# KiCad board mainboard.kicad_pcb (continued)
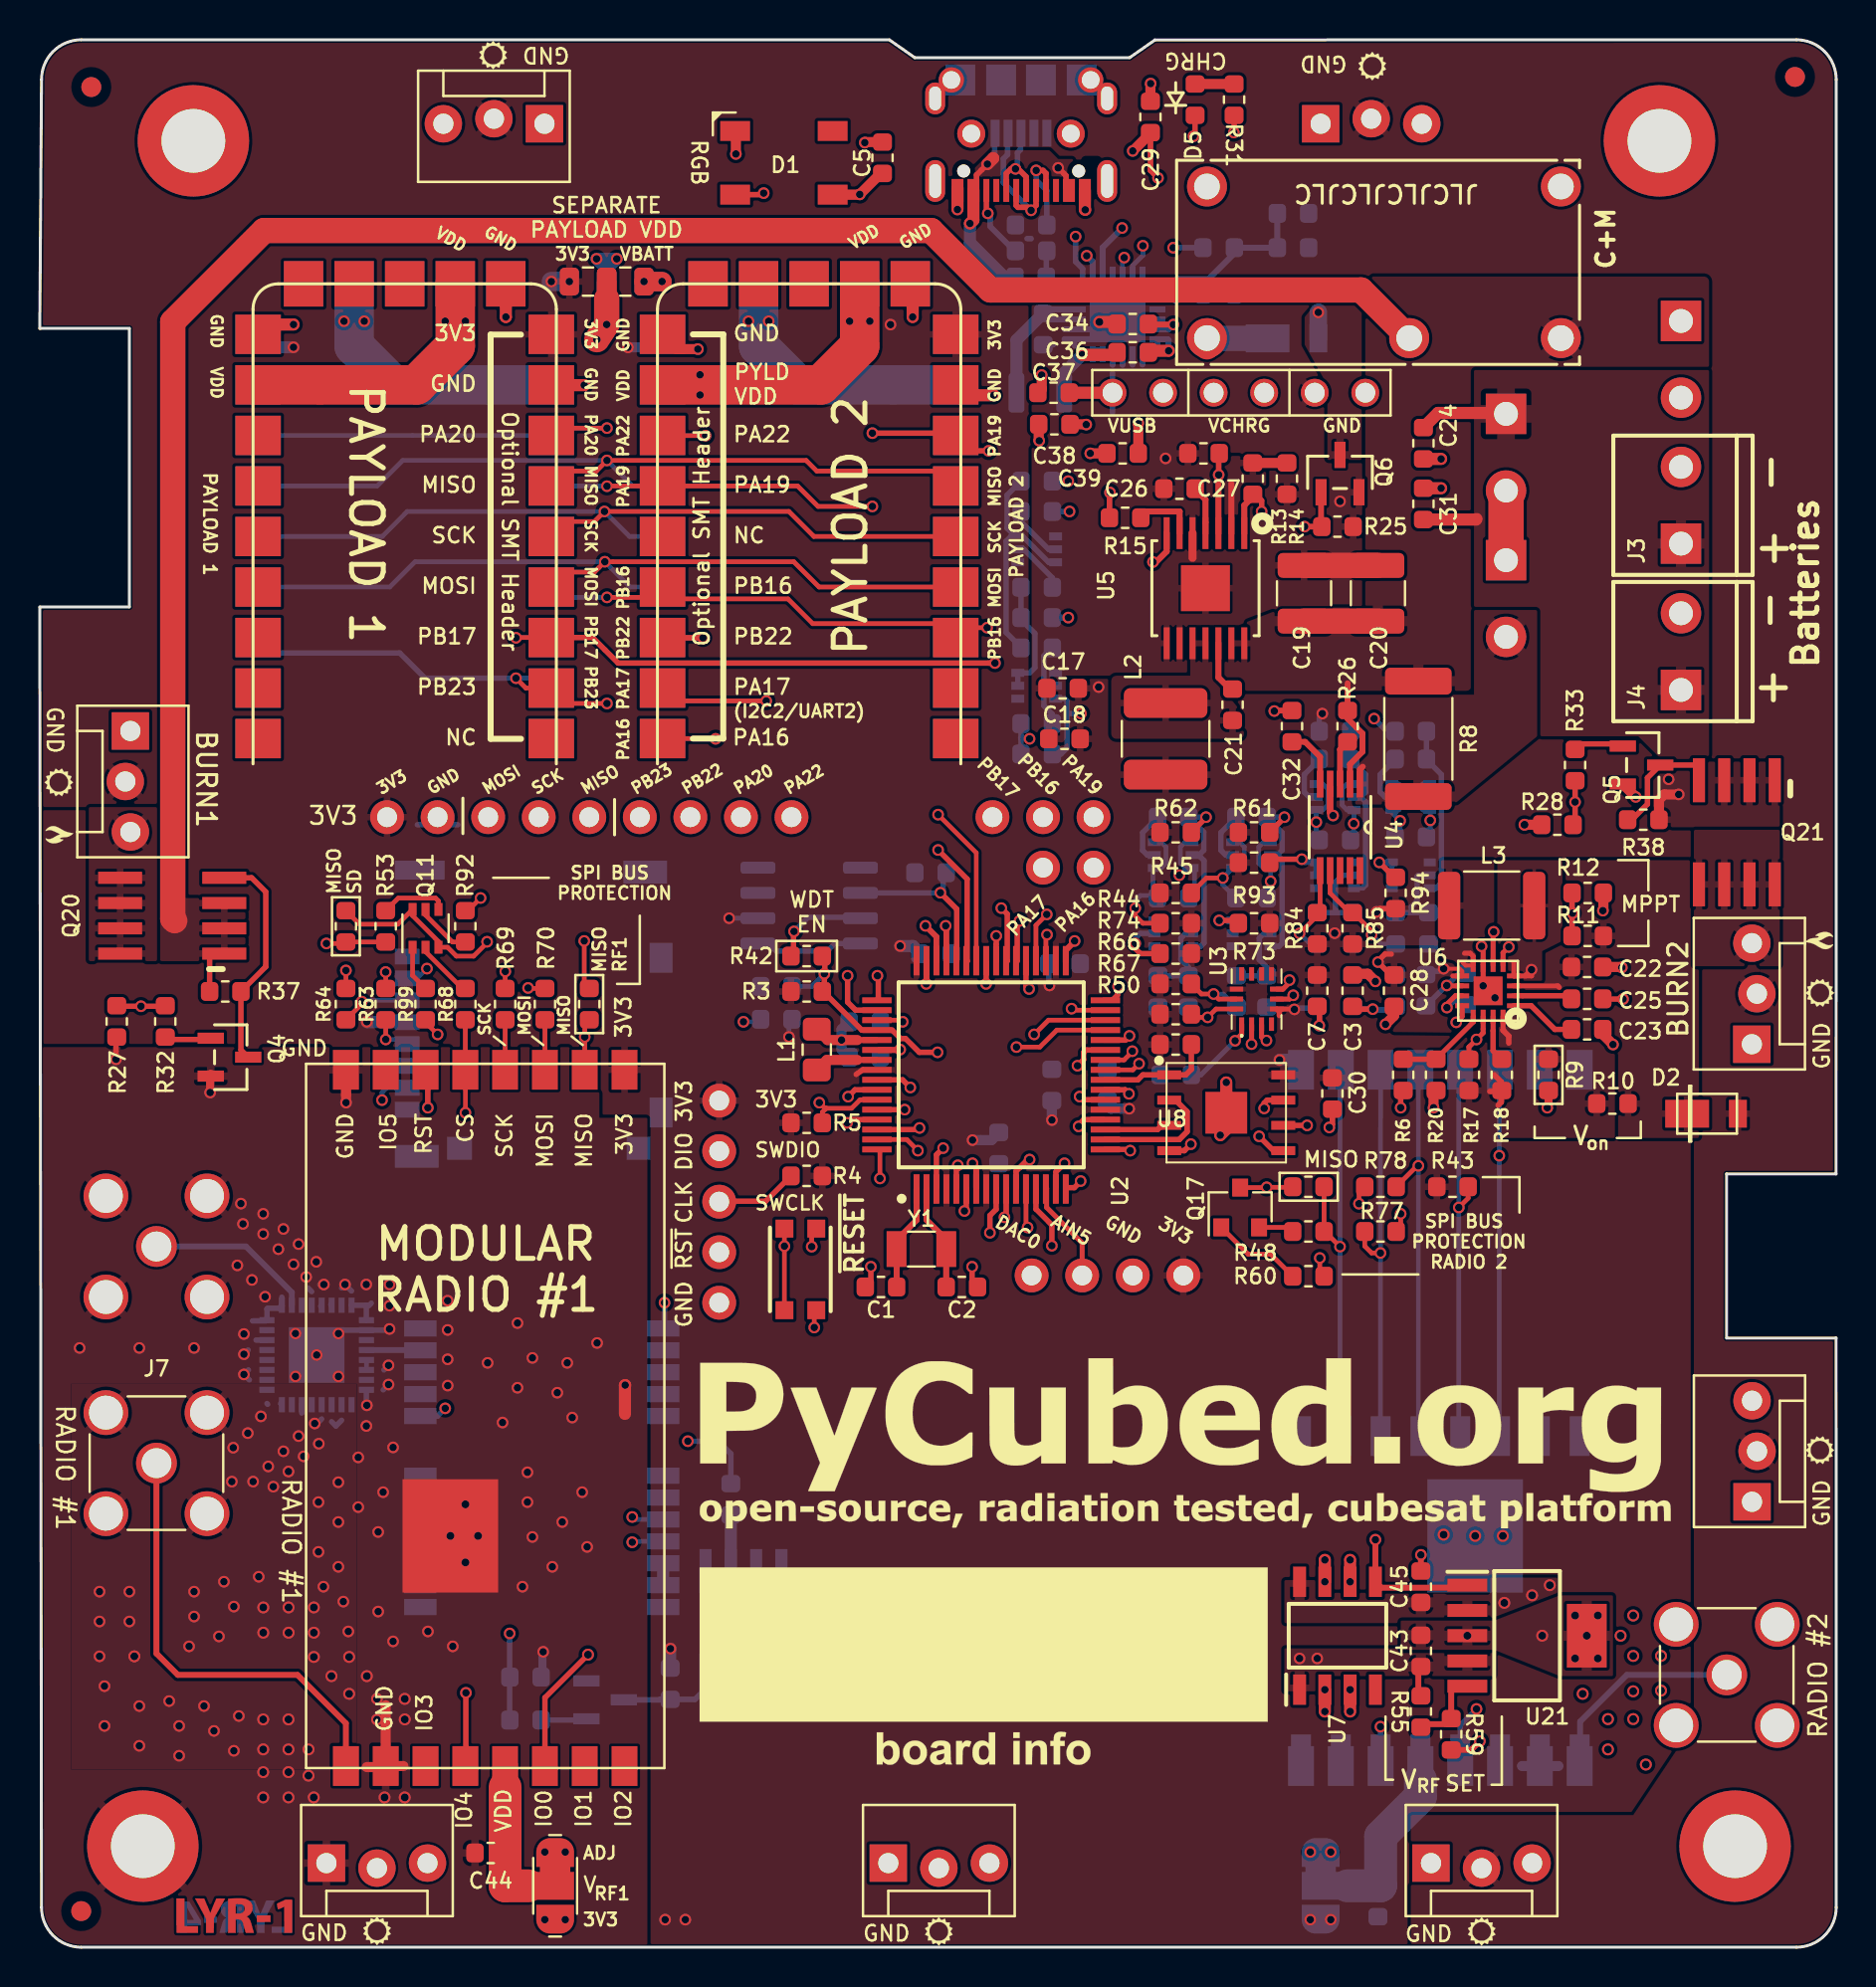
[diagram p0: board, top side]
## Footprints (pads in the part's own frame, mm; a bottom-side part is the same pattern mirrored in y, then rotated) (continued)
  rect 0.8x0.3 smd: 1(-2,1.25) 2(-2,0.75) 3(-2,0.25) 4(-2,-0.25) 5(-2,-0.75) 6(-2,-1.25) 13(2,-1.25) 14(2,-0.75) 15(2,-0.25) 16(2,0.25) 17(2,0.75) 18(2,1.25)
  rect 0.3x0.8 smd: 7(-1.25,-2) 8(-0.75,-2) 9(-0.25,-2) 10(0.25,-2) 11(0.75,-2) 12(1.25,-2) 19(1.25,2) 20(0.75,2) 21(0.25,2) 22(-0.25,2) 23(-0.75,2) 24(-1.25,2)
  rect 2.8x2.8 smd: 25(0,0)
QFN-16-PAD
  rect 0.7x0.25 smd: P$1(-1.3,0.75) P$2(-1.3,0.25) P$3(-1.3,-0.25) P$4(-1.3,-0.75) P$9(1.3,-0.75) P$10(1.3,-0.25) P$11(1.3,0.25) P$12(1.3,0.75)
  rect 0.25x0.7 smd: P$5(-0.75,-1.3) P$6(-0.25,-1.3) P$7(0.25,-1.3) P$8(0.75,-1.3) P$13(0.75,1.3) P$14(0.25,1.3) P$15(-0.25,1.3) P$16(-0.75,1.3)
  rect 1.45x1.45 smd: P$17(0,0)
QFP50P1200X1200X120-64N
  rect 1.475x0.3 smd: 1(-5.738,3.75) 2(-5.738,3.25) 3(-5.738,2.75) 4(-5.738,2.25) 5(-5.738,1.75) 6(-5.738,1.25) 7(-5.738,0.75) 8(-5.738,0.25) 9(-5.738,-0.25) 10(-5.738,-0.75) 11(-5.738,-1.25) 12(-5.738,-1.75) 13(-5.738,-2.25) 14(-5.738,-2.75) 15(-5.738,-3.25) 16(-5.738,-3.75) 33(5.738,-3.75) 34(5.738,-3.25) 35(5.738,-2.75) 36(5.738,-2.25) 37(5.738,-1.75) 38(5.738,-1.25) 39(5.738,-0.75) 40(5.738,-0.25) 41(5.738,0.25) 42(5.738,0.75) 43(5.738,1.25) 44(5.738,1.75) 45(5.738,2.25) 46(5.738,2.75) 47(5.738,3.25) 48(5.738,3.75)
  rect 0.3x1.475 smd: 17(-3.75,-5.738) 18(-3.25,-5.738) 19(-2.75,-5.738) 20(-2.25,-5.738) 21(-1.75,-5.738) 22(-1.25,-5.738) 23(-0.75,-5.738) 24(-0.25,-5.738) 25(0.25,-5.738) 26(0.75,-5.738) 27(1.25,-5.738) 28(1.75,-5.738) 29(2.25,-5.738) 30(2.75,-5.738) 31(3.25,-5.738) 32(3.75,-5.738) 49(3.75,5.738) 50(3.25,5.738) 51(2.75,5.738) 52(2.25,5.738) 53(1.75,5.738) 54(1.25,5.738) 55(0.75,5.738) 56(0.25,5.738) 57(-0.25,5.738) 58(-0.75,5.738) 59(-1.25,5.738) 60(-1.75,5.738) 61(-2.25,5.738) 62(-2.75,5.738) 63(-3.25,5.738) 64(-3.75,5.738)
R_0603_1608Metric
  rrect 0.875x0.95 smd: 1(-0.787,0) 2(0.787,0)
R_0805_2012Metric
  rrect 0.975x1.4 smd: 1(-0.938,0) 2(0.938,0)
R_2512_6332Metric
  rrect 1.35x3.35 smd: 1(-2.9,0) 2(2.9,0)
RELAY_PE014006
  round 2.007 hole 1.295: 1(-7.62,17.196) 5(0,17.196) 11(-7.62,7.036) 12(0,-0.584) 14(-7.62,-0.584)
RFM95PW
  rect 2x1.3 smd: 1(17.6,-7.5) 2(17.6,-5.5) 3(17.6,-3.5) 4(17.6,-1.5) 5(17.6,0.5) 6(17.6,2.5) 7(17.6,4.5) 8(17.6,6.5) 9(-17.4,6.5) 10(-17.4,4.5) 11(-17.4,2.5) 12(-17.4,0.5) 13(-17.4,-1.5) 14(-17.4,-3.5) 15(-17.4,-5.5) 16(-17.4,-7.5)
  rect 5.7x4.8 smd: 17(6.032,-2.25)
S1216_24PIN_PACKAGE
  rect 1.626x0.813 smd: 1(5.85,-7.62) 2(5.85,-6.52) 3(5.85,-5.42) 4(5.85,-4.32) 5(5.85,-3.22) 6(5.85,-2.12) 7(5.85,-1.02) 8(5.85,1.98) 9(5.85,3.08) 10(5.85,4.18) 11(5.85,5.28) 12(5.85,6.38) 13(-6.35,6.38) 14(-6.35,5.28) 15(-6.35,4.18) 16(-6.35,3.08) 17(-6.35,1.98) 18(-6.35,-1.02) 19(-6.35,-2.12) 20(-6.35,-3.22) 21(-6.35,-4.32) 22(-6.35,-5.42) 23(-6.35,-6.52) 24(-6.35,-7.62)
SCREWTERMINAL-3.5MM-2_LOCK
  rect 2.032x2.032 hole 1.2: 1(-0.178,0)
  round 2.032 hole 1.2: 2(3.678,0)
SMA_Amphenol_901-144_Vertical
  round 2.05 hole 1.5: 1(0,0)
  round 2.25 hole 1.7: 2(-2.54,2.54) 2(-2.54,-2.54) 2(2.54,2.54) 2(2.54,-2.54)
SO-8_3.9x4.9mm_P1.27mm
  rrect 1.75x0.6 smd: 1(-2.575,1.905) 2(-2.575,0.635) 3(-2.575,-0.635) 4(-2.575,-1.905) 5(2.575,-1.905) 6(2.575,-0.635) 7(2.575,0.635) 8(2.575,1.905)
SOIC127P600X175-8N
  rect 1.525x0.65 smd: 1(-2.712,1.905) 2(-2.712,0.635) 3(-2.712,-0.635) 4(-2.712,-1.905) 5(2.712,-1.905) 6(2.712,-0.635) 7(2.712,0.635) 8(2.712,1.905)
SolderJumper-3_P1.3mm_Bridged12_RoundedPad1.0x1.5mm
  custom 1.45x1.9 smd: 1(-1.7,0) 3(1.7,0)
  rect 1.4x1.9 smd: 2(0,0)
SON127P600X500X90-9N
  rect 1.2x0.45 smd: 1(-2.865,1.905) 2(-2.865,0.635) 3(-2.865,-0.635) 4(-2.865,-1.905) 5(2.865,-1.905) 6(2.865,-0.635) 7(2.865,0.635) 8(2.865,1.905)
  rect 2.1x2.1 smd: 9(0,0)
SOT-23
  rect 0.559x1.321 smd: 1(-0.953,-1.003) 2(0.953,-1.003) 3(0,0.876)
SOT-23#2
  rect 0.9x0.8 smd: 1(-1,0.95) 2(-1,-0.95) 3(1,0)
SOT-363_SC-70-6
  rect 0.65x0.4 smd: 1(-0.95,0.65) 2(-0.95,0) 3(-0.95,-0.65) 4(0.95,-0.65) 5(0.95,0) 6(0.95,0.65)
TPS7A4501DCQT
  rect 2x0.65 smd: 1(-3,2.54) 2(-3,1.27) 3(-3,0) 4(-3,-1.27) 5(-3,-2.54)
  rect 2x3.2 smd: 6(3,0)
USB_C_Receptacle_XKB_U262-161N-4BVC11
  round 0.65 hole 0.65 unplated: (-2.39,4.045) (3.39,4.045)
  rect 0.6x1.15 smd: A1(-2.7,5.02) A4(-1.9,5.02) A9(2.9,5.02) A12(3.7,5.02)
  rect 0.3x1.15 smd: A5(-0.75,5.02) A6(0.25,5.02) A7(0.75,5.02) A8(1.75,5.02) B5(2.25,5.02) B6(1.25,5.02) B7(-0.25,5.02) B8(-1.25,5.02)
  oval 1x2.1 hole 0.6x1.7: S1(-3.82,4.545) S1(4.82,4.545)
  oval 1x1.6 hole 0.6x1.2: S1(-3.82,0.395) S1(4.82,0.395)
XTB40_payload
  rect 2.286x1.981 smd: 1(0.254,22.86) 2(0.254,20.32) 3(0.254,17.78) 4(0.254,15.24) 5(0.254,12.7) 6(0.254,10.16) 7(0.254,7.62) 8(0.254,5.08) 9(0.254,2.54) 15(14.986,2.54) 16(14.986,5.08) 17(14.986,7.62) 18(14.986,10.16) 19(14.986,12.7) 20(14.986,15.24) 21(14.986,17.78) 22(14.986,20.32) 23(14.986,22.86)
  rect 1.981x2.286 smd: 10(2.54,0) 11(5.08,0) 12(7.62,0) 13(10.16,0) 14(12.7,0)

## Nets
3.3V: C5.1 C7.1 C9.2 C10.1 C11.1 C13.1 C15.1 C16.1 C17.2 C18.2 C30.1 D1.1 J1.4 J2.1 J8.1 J10.4 JP6.3 JP7.3 L2.2 Q22.1 Q22.2 Q22.3 R3.1 R4.1 R5.1 R13.2 R17.2 R18.2 R23.1 R43.1 R44.1 R45.1 R50.2 R51.2 R54.1 R57.1 R61.1 R62.1 R66.1 R67.1 R73.1 R74.1 R82.1 R83.1 R84.1 R85.1 R93.1 R94.1 U1.2 U2.4 U2.8 U2.21 U2.34 U2.48 U2.56 U3.5 U3.8 U3.12 U5.1 U8.8 U9.9 U10.9 U11.9 U12.9 U23.9 U24.9
/Power/3V3_EN: Q2.6 R29.2 U5.7
GND: C1.2 C2.2 C3.2 C4.1 C5.2 C7.2 C8.2 C9.1 C10.2 C11.2 C12.1 C13.2 C14.2 C15.2 C16.2 C17.1 C18.1 C19.2 C20.2 C22.2 C23.2 C26.2 C27.2 C28.2 C30.2 C32.1 C40.2 C41.2 C42.2 C43.1 C44.1 C45.1 C46.1 D1.3 H1.1 H2.1 H3.1 H4.1 J1.6 J1.P1 J1.P2 J1.P3 J1.P4 J1.P5 J2.5 J6.2 J7.2 J8.2 J10.3 J12.2 J14.5 J18.2 JP8.1 JP9.1 JP10.1 JP11.1 JP12.1 JP13.1 JP14.1 JP15.1 Q1.2 Q2.1 Q2.4 Q3.1 Q3.4 Q4.2 Q5.2 Q6.2 Q12.1 Q12.4 Q13.1 Q13.4 Q18.1 Q18.4 Q19.1 Q19.4 R2.1 R7.1 R9.2 R12.1 R14.1 R20.1 R21.2 R25.2 R27.2 R28.2 R41.2 R59.2 SW1.B SW1.B' U1.3 U1.4 U2.7 U2.22 U2.33 U2.47 U2.54 U3.2 U3.3 U3.6 U3.7 U4.4 U5.5 U5.8 U5.9 U5.15 U6.P$5 U6.P$7 U6.P$12 U6.P$17 U7.2 U7.3 U7.6 U7.7 U8.4 U8.9 U9.8 U9.10 U9.15 U10.8 U10.10 U10.15 U11.8 U11.10 U11.15 U12.8 U12.10 U12.15 U13.1 U13.2 U13.3 U13.5 U13.6 U13.7 U13.8 U13.9 U13.10 U13.11 U13.12 U13.13 U13.14 U13.16 U13.17 U13.18 U13.19 U13.20 U13.21 U13.22 U13.23 U13.24 U13.25 U13.27 U13.28 U13.29 U13.30 U13.31 U13.32 U13.EP U14.10 U14.12 U14.13 U14.24 U15.1 U15.8 U15.10 U16.12 U21.3 U21.6 U23.2 U23.16 U23.17 U24.2 U24.16 U24.17
GNDREF: C24.2 C29.2 C31.2 C33.1 C34.2 C35.1 C37.1 C38.1 C39.1 J3.2 J4.2 J11.5 J11.8 J11.9 J13.A1 J13.A12 J13.S1 J14.6 J18.1 R35.1 R36.1 R39.1 R40.1 R46.1 U17.19 U17.20 U17.25
VBATT: C19.1 C20.1 C28.1 C45.2 D4.C J14.2 R1.1 R8.1 R19.1 R26.1 R29.1 R30.1 R47.1 R49.1 R56.2 R58.2 U4.2 U5.13 U5.14 U6.P$9 U7.8 U16.1 U16.14 U21.2
VBATT_SENSE: J17.2 R8.2 U4.1
VBUS_IN: C29.1 C33.2 J11.1 J13.A4 J13.A9 R34.1 U17.23
VBUS_RESET: R52.2 U2.37
VCC_RF1: C44.2 JP6.2 U23.5
VCC_RF2: C46.2 JP7.2 U15.13 U24.5
/Avionics/BATTERY: C3.1 R1.2 R2.2 U2.15
/Avionics/XTAL1: C1.1 U2.1 Y1.1
/Avionics/XTAL2: C2.1 U2.2 Y1.2
/Burn Wires/VBURN1: JP11.3 Q20.5 Q20.6 Q20.7 Q20.8
/Burn Wires/VBURN2: JP12.3 Q21.5 Q21.6 Q21.7 Q21.8
/Burn Wires/VBURN_A_IN: Q20.1 Q20.2 Q20.3 Q21.1 Q21.2 Q21.3 R37.2 R38.2 U16.11
/Power/REGN: C34.1 R31.2 U17.11
/Power/V_RF: C43.2 JP6.1 JP7.1 R55.1 U7.1 U21.4
/Power/VCHRG_IN: C22.1 D2.C R10.2 R11.2 U6.P$3
/RF and GPS/PYLD12_VDD: R54.2 R56.1 U10.11 U10.16 U12.11 U12.16
/RF and GPS/PYLD34_VDD: R57.2 R58.1 U9.11 U9.16 U11.11 U11.16
/RF and GPS/RF2_ANT: J12.1 U15.9 U24.1
/RF and GPS/RF_IN: U13.4 U14.11
AIN5: J10.2 U2.14
BURN_RELAY_A: Q6.1 R25.1 U2.28
DAC0: J10.1 U2.3
ENAB_BURN1: R27.1 R32.2 U2.60
ENAB_BURN2: R28.1 R33.2 U2.32
ENAB_GPS: R21.1 R22.1 U2.62
ENAB_RF: U2.13 U7.5 U21.1
FLASH_CS: R50.1 U2.24 U8.1
FLASH_IO2: U2.19 U8.3
FLASH_IO3: U2.20 U8.7
FLASH_MISO: U2.18 U8.2
FLASH_MOSI: U2.17 U8.5
FLASH_SCK: U2.23 U8.6
GPS_PWR_IN: Q22.5 Q22.6 Q22.7 Q22.8 R24.2 U14.22 U14.23
L1_PROG: R6.1 R20.2 U6.P$13
MISO: J8.5 Q11.3 Q11.6 Q17.3 R101.2 R104.2 R107.2 U2.31 U9.6 U10.6 U11.6 U12.6
MISO_RF1: R99.2 R101.1 U23.10
MISO_RF2: R48.2 R107.1 U15.2 U24.10
MISO_SD: J1.7 R53.2 R104.1
MOSI: J8.3 R64.2 R70.1 R77.2 U2.29 U9.4 U10.4 U11.4 U12.4
MOSI_RF1: R70.2 U23.11
MOSI_RF2: R77.1 U15.3 U24.11
MOSI_SD: J1.3 R64.1
PA16: J15.2 U2.35 U11.1 U12.23
PA17: J15.1 U2.36 U11.2 U12.22
PA19: J9.3 U2.38 U9.18 U12.7 U12.18
PA20: J8.8 U2.41 U9.7 U9.17 U10.7
PA22: J8.9 U2.43 U11.7 U12.17
PB16: J9.2 U2.39 U9.20 U12.3 U12.20
PB17: J9.1 U2.40 U9.21 U10.3
PB22: J8.7 U2.49 U11.3 U12.21
PB23: J8.6 U2.50 U9.3 U9.22 U10.2
RF1_ANT: J7.1 U23.1
RF1_CS: R5.2 R68.2 U2.59 U23.13
RF1_IO0: U2.6 U23.6
RF1_IO4: U2.5 U23.4
RF1_RST: U2.61 U23.14
RF2_CS: R43.2 R60.2 U2.12 U15.5 U24.13
RF2_IO0: U2.9 U15.14 U24.6
RF2_IO4: U2.10 U15.12 U24.4
RF2_RST: U2.27 U15.6 U24.14
RX: U2.64 U14.20
SCK: J8.4 R63.2 R69.2 R78.2 U2.30 U9.5 U10.5 U11.5 U12.5
SCK_RF1: R69.1 U23.12
SCK_RF2: R78.1 U15.4 U24.12
SCK_SD: J1.5 R63.1
SCL: Q7.1 Q7.3 Q15.1 Q15.3 R45.2 R97.2 R108.2 U2.26
SCL_IMU: Q7.4 Q7.6 R66.2 R75.1 R97.1 U3.13
SCL_PWR: Q15.4 Q15.6 R84.2 R95.1 R108.1 U4.6 U17.5
SD_CS: J1.2 R51.1 R92.2 U2.51
SDA: Q8.1 Q8.3 Q16.1 Q16.3 R44.2 R98.2 R109.2 U2.25
SDA_IMU: Q8.4 Q8.6 R67.2 R76.1 R98.1 U3.14
SDA_PWR: Q16.4 Q16.6 R85.2 R96.1 R109.1 U4.7 U17.4
STAT: D5.1 U17.2
SWCLK: J2.3 R4.2 U2.57
SWDIO: J2.2 U2.58
THM: R34.2 R35.2 R46.2 U17.7
TX: U2.63 U14.21
USB_CC1: J13.A5 R40.2
USB_CC2: J13.B5 R39.2
USB_D+: J11.3 J13.A6 J13.B6 U2.46 U17.24
USB_D-: J11.2 J13.A7 J13.B7 U2.45 U17.1
VCHRG: C24.1 C31.1 J3.1 J4.1 J14.4 J16.1
VSOLAR: D2.A JP8.2 JP9.2 JP10.2 JP11.2 JP12.2 JP13.2 JP14.2 JP15.2
WDT_WDI: R7.2 U1.6 U2.44
~{CHRG}: R17.1 U2.11 U6.P$14
~{RESET}: C4.2 J2.4 R3.2 R42.1 SW1.A SW1.A' U2.52
Net-(C6-Pad1): C6.1 Q3.3 Q3.6 R49.2
Net-(C6-Pad2): C6.2 Q2.5 R47.2
Net-(C8-Pad1): C8.1 Q12.5 R75.2
Net-(C12-Pad2): C12.2 C14.1 L1.1 U2.53
Net-(C21-Pad1): C21.1 L2.1 U5.10 U5.11
Net-(C21-Pad2): C21.2 U5.12
Net-(C23-Pad1): C23.1 U6.P$1
Net-(C25-Pad1): C25.1 U6.P$2
Net-(C25-Pad2): C25.2 L3.2 U6.P$4
Net-(C26-Pad1): C26.1 U5.4
Net-(C27-Pad1): C27.1 R15.2 U5.3
Net-(C32-Pad2): C32.2 U4.5
Net-(C35-Pad2): C35.2 L4.1 U17.21 U17.22
Net-(C36-Pad1): C36.1 L4.2 U17.17 U17.18
Net-(C36-Pad2): C36.2 U17.12
Net-(C37-Pad2): C37.2 C38.2 J14.1 U17.15 U17.16
Net-(C39-Pad2): C39.2 J14.3 U17.13 U17.14
Net-(C40-Pad1): C40.1 Q13.5 R76.2
Net-(C41-Pad1): C41.1 Q18.5 R95.2
Net-(C42-Pad1): C42.1 Q19.5 R96.2
Net-(D1-Pad2): D1.2
Net-(D1-Pad4): D1.4 U2.42
Net-(D4-PadA): D4.A Q6.3 U16.5
Net-(D5-Pad2): D5.2 R31.1
Net-(J1-Pad1): J1.1
Net-(J1-Pad8): J1.8
Net-(J1-PadDT): J1.DT
Net-(J1-PadSW): J1.SW
Net-(J5-Pad1): U13.15
Net-(J6-Pad1): J6.1 U13.26
Net-(J11-Pad4): J11.4
Net-(J13-PadA8): J13.A8
Net-(J13-PadB8): J13.B8
Net-(J16-Pad2): J16.2 J17.1
Net-(JP8-Pad3): JP8.3
Net-(JP9-Pad3): JP9.3
Net-(JP10-Pad3): JP10.3
Net-(JP13-Pad3): JP13.3
Net-(JP14-Pad3): JP14.3
Net-(JP15-Pad3): JP15.3
Net-(L1-Pad2): L1.2 U2.55
Net-(L3-Pad1): L3.1 U6.P$8
Net-(Q1-Pad1): Q1.1 R22.2
Net-(Q1-Pad3): Q1.3 Q22.4 R23.2
Net-(Q2-Pad2): Q2.2 Q2.3 R30.2 R110.2
Net-(Q3-Pad2): Q3.2 R110.1
Net-(Q3-Pad5): Q3.5 R52.1
Net-(Q4-Pad1): Q4.1 R32.1
Net-(Q5-Pad1): Q5.1 R33.1
Net-(Q7-Pad2): Q7.2 R71.1
Net-(Q8-Pad2): Q8.2 R72.1
Net-(Q11-Pad1): Q11.1 R99.1
Net-(Q11-Pad2): Q11.2 R68.1
Net-(Q11-Pad4): Q11.4 R53.1
Net-(Q11-Pad5): Q11.5 R92.1
Net-(Q12-Pad2): Q12.2 Q12.3 R73.2
Net-(Q12-Pad6): Q7.5 Q12.6 R61.2 R71.2
Net-(Q13-Pad2): Q13.2 Q13.3 R74.2
Net-(Q13-Pad6): Q8.5 Q13.6 R62.2 R72.2
Net-(Q15-Pad2): Q15.2 R86.1
Net-(Q15-Pad5): Q15.5 Q18.6 R82.2 R86.2
Net-(Q16-Pad2): Q16.2 R87.1
Net-(Q16-Pad5): Q16.5 Q19.6 R83.2 R87.2
Net-(Q17-Pad1): Q17.1 R60.1
Net-(Q17-Pad2): Q17.2 R48.1
Net-(Q18-Pad2): Q18.2 Q18.3 R93.2
Net-(Q19-Pad2): Q19.2 Q19.3 R94.2
Net-(Q20-Pad4): Q4.3 Q20.4 R37.1
Net-(Q21-Pad4): Q5.3 Q21.4 R38.1
Net-(R6-Pad2): R6.2 U2.16
Net-(R10-Pad1): R9.1 R10.1 U6.P$16
Net-(R11-Pad1): R11.1 R12.2 U6.P$6
Net-(R13-Pad1): R13.1 R14.2 U5.2
Net-(R15-Pad1): R15.1 U5.6
Net-(R16-Pad1): R16.1 U6.P$11
Net-(R16-Pad2): R16.2 R19.2 U6.P$10
Net-(R18-Pad1): R18.1 U6.P$15
Net-(R24-Pad1): R24.1 U14.8
Net-(R26-Pad2): R26.2 U4.3
Net-(R36-Pad2): R36.2 U17.8
Net-(R41-Pad1): R41.1 U3.1
Net-(R42-Pad2): R42.2 U1.7
Net-(R55-Pad2): R55.2 R59.1 U21.5
Net-(U1-Pad1): U1.1 U1.8
Net-(U1-Pad5): U1.5
Net-(U3-Pad4): U3.4
Net-(U3-Pad9): U3.9
Net-(U3-Pad10): U3.10
Net-(U3-Pad11): U3.11
Net-(U4-Pad8): U4.8
Net-(U4-Pad9): U4.9
Net-(U4-Pad10): U4.10
Net-(U7-Pad4): U7.4
Net-(U9-Pad1): U9.1
Net-(U9-Pad2): U9.2
Net-(U9-Pad13): U9.13
Net-(U9-Pad14): U9.14
Net-(U9-Pad19): U9.19
Net-(U9-Pad23): U9.23
Net-(U10-Pad1): U10.1
Net-(U10-Pad13): U10.13
Net-(U10-Pad14): U10.14
Net-(U10-Pad17): U10.17
Net-(U10-Pad18): U10.18
Net-(U10-Pad19): U10.19
Net-(U10-Pad20): U10.20
Net-(U10-Pad21): U10.21
Net-(U10-Pad22): U10.22
Net-(U10-Pad23): U10.23
Net-(U11-Pad13): U11.13
Net-(U11-Pad14): U11.14
Net-(U11-Pad17): U11.17
Net-(U11-Pad18): U11.18
Net-(U11-Pad19): U11.19
Net-(U11-Pad20): U11.20
Net-(U11-Pad21): U11.21
Net-(U11-Pad22): U11.22
Net-(U11-Pad23): U11.23
Net-(U12-Pad1): U12.1
Net-(U12-Pad2): U12.2
Net-(U12-Pad13): U12.13
Net-(U12-Pad14): U12.14
Net-(U12-Pad19): U12.19
Net-(U14-Pad1): U14.1
Net-(U14-Pad2): U14.2
Net-(U14-Pad3): U14.3
Net-(U14-Pad4): U14.4
Net-(U14-Pad5): U14.5
Net-(U14-Pad6): U14.6
Net-(U14-Pad7): U14.7
Net-(U14-Pad9): U14.9
Net-(U14-Pad14): U14.14
Net-(U14-Pad15): U14.15
Net-(U14-Pad16): U14.16
Net-(U14-Pad17): U14.17
Net-(U14-Pad18): U14.18
Net-(U14-Pad19): U14.19
Net-(U15-Pad7): U15.7
Net-(U15-Pad11): U15.11
Net-(U15-Pad15): U15.15
Net-(U15-Pad16): U15.16
Net-(U17-Pad3): U17.3
Net-(U17-Pad6): U17.6
Net-(U17-Pad9): U17.9
Net-(U17-Pad10): U17.10
Net-(U23-Pad3): U23.3
Net-(U23-Pad7): U23.7
Net-(U23-Pad8): U23.8
Net-(U23-Pad15): U23.15
Net-(U24-Pad3): U24.3
Net-(U24-Pad7): U24.7
Net-(U24-Pad8): U24.8
Net-(U24-Pad15): U24.15

Pads without a net: J11 6 7 10 11 12 13; U9 12; U10 12; U11 12; U12 12

## Via types
v1: diameter 0.584, hole 0.381, Top to Bottom, 405 vias
v2: diameter 0.6, hole 0.4, Top to Bottom, 57 vias

## Routing (per net, layer and track width the routed paths; a pad name or vN(x,y) marks a point on that pad's centre or on a via; arc(x,y) is an arc through that point)
3.3V: length 83.6
  Top w0.25: 62.17,47.16 63.02,47.16 v1(63.03,47.14)
  Top w0.272: 61.07,73.04 61.39,72.72 v1(61.39,72.17) ; 62.28,46.84 62.28,47.03 U3.5 ; 42.13,44.1 41.34,44.1 41.02,43.88 ; R94.1 67.33,52.21 v1(67.17,52.04)
  Top w0.279: 73.43,43.02 73.43,43.5 73.07,43.85 ; 73.43,43.02 73.43,42.48 73.27,42.33 ; 73.43,43.02 72.85,43.02 ; 41.18,88.1 v1(41.2,88.11)
  Top w0.305: 61.07,73.04 60.52,72.48 U5.1
  Top w0.508: v1(41.2,88.11) 42.25,89.17 C5.1 ; D1.1 41.18,88.1
  Route15 w0.272: v1(65.06,50.98) 66.04,50.98 67.11,52.04 v1(67.17,52.04) 69.3,54.18 69.3,59.5 v1(67.04,61.76) 66.79,62.01 v1(64.44,62.01)
  Route15 w0.279: v1(61.39,72.17) 56.99,72.17 53.2,68.38 v1(53.2,63.35)
  Route15 w0.508: v1(41.2,88.11) 42.72,86.59 42.72,81.59 v1(42.74,81.57)
  Route15 w1.27: 31.37,1.39 v1(26.4,1.39) v1(25.37,1.39) ; v1(31.42,1.39) v1(32.43,1.39)
  Bottom w0.235: v1(37.64,45.76) 37.64,46.49 R51.2 ; U1.2 v1(34.63,51.73)
  Bottom w0.272: v1(64.44,62.01) 64.28,61.86 64.28,61.06 ; 68.09,61.25 67.55,61.25 v1(67.04,61.76) ; C15.1 50.7,48.38 v1(50.73,48.35)
  Bottom w0.279: v1(63.03,47.14) 63.1,47.21 64.31,47.21
  Bottom w0.508: 53.58,42.39 53.82,42.15 v1(54.73,42.15) ; C16.1 50.85,41.58 v1(50.85,41.58) ; 48.18,40.93 47.82,40.57 v1(46.86,40.57) ; 31.26,81.08 31.26,80.78 30.9,80.42 v1(29.55,80.42)
  Bottom w0.61: 37.26,13.7 v1(37.26,12.1) ; v1(43.23,50.33) 43.86,50.33 44.24,49.95 ; J1.4 16.45,46.5 v1(16.43,46.52) ; v1(12.75,80.43) 11.62,80.43 11,81.05 ; v1(62.29,44.6) 62.3,44.62 63.27,44.62 63.37,44.51 ; 34.72,13.7 v1(34.72,12.1) ; v1(31.69,15.01) 31.67,14.99 R23.1 ; 35.99,13.7 v1(35.99,12.1) ; 25.7,83.73 v1(25.7,83.73)
  Bottom w0.975: R57.1 25.7,83.73
  vias: v1(26.61,83.73) v1(63.83,1.39) v1(64.86,1.39)
/Power/3V3_EN: length 16.7
  Top w0.279: 56.09,69.63 v1(55.93,69.63)
  Top w0.305: U5.7 56.62,70.16 56.09,69.63
  Route15 w0.272: v1(55.93,69.63) 55.93,63.54 54.4,62.01 v1(52.31,62.01)
  Bottom w0.272: Q2.6 51.5,62.76 51.61,62.65 51.61,62.01 ; R29.2 51.31,59.98 51.61,60.28 51.61,62.01 ; 51.61,62.01 v1(52.31,62.01)
GND: length 93.7
  Top w0.235: U23.2 17.4,9.13 17.4,9.79 17.4,9.14 17.32,9.06 ; SW1.B 38.78,35.9 v1(38.78,35.22) ; 18.26,9.11 18.32,9.06 18.34,9.06 ; SW1.B' 38.91,31.92 v1(38.91,31.15) ; 44.55,48.44 v1(44.54,48.43)
  Top w0.25: U6.P$5 73.52,49.99 v1(73.81,50.28) ; U6.P$17 v1(72.52,48.33) U6.P$7 72.52,50.24 v1(72.44,50.32) ; v1(62.98,47.85) 62.79,47.66 U3.6 ; 61.38,46.38 61.38,45.75 61.55,45.58 v1(61.63,45.58) ; U3.7 62.46,48.16 62.79,48.49 v1(62.79,48.62) 62.79,48.68 ; v1(71.17,46.49) 71.47,46.79 U6.P$12 ; 60.88,46.38 60.88,45.4 v1(60.88,45.4)
  Top w0.272: v1(41.75,34.21) 41.75,33.47 C1.2 ; v1(46.84,34.21) 46.84,33.46 C2.2 ; v1(52.25,42.76) 52.4,42.6 53.47,42.6 ; 3.87,45.69 3.83,45.65 v1(3.83,44.63) ; 43.91,83.62 43.86,83.57
  Top w0.279: U6.P$17 73.11,47.73 v1(73.11,47.72) ; 64.3,47.3 64.3,46.34 v1(64.28,46.33) ; C30.2 64.94,41.36 v1(64.79,41.21) ; U8.4 57.51,40.04 v1(57.83,40.37) ; 34.94,90.18 v1(34.97,90.14) ; 20.49,28.24 v1(20.5,28.23)
  Top w0.293: v1(72.35,10.36) 71.92,9.92 R59.2 ; v1(62.02,62.14) 62.05,62.17 C32.1 ; C45.1 v1(69.39,19.72)
  Top w0.3: 42.13,45.1 43.21,45.1 v1(43.23,45.12) ; v1(46.86,39.41) 47.05,39.22 47.05,38.18 ; v1(51.99,50.58) 51.99,50.56 51.55,50.12 51.55,49.52 ; U2.47 44.55,48.44
  Top w0.33: v1(64.98,56.89) 64.83,57.04 64.83,58.34
  Top w0.406: 57.92,69.84 U5.5 ; R9.2 75.8,42.27 v1(75.74,42.2) ; v1(8.56,42.96) 8.56,43.88 8.59,43.91
  Top w0.508: R28.2 v2(74.6,56.43) ; 23.43,83.61 23.42,83.62 U10.10 ; v1(67.1,48.55) 66.72,48.93 65.88,48.93 65.82,48.87 ; v1(34.97,90.14) 34.97,91.26 ; v1(33.06,80.34) 32.01,80.34 31.29,81.05 ; v1(79.49,49.25) 79.46,49.28 78.59,49.28 ; v1(80.19,57.82) 80.18,57.82 Q5.2 ; C28.2 68.04,46.82 v1(67.61,46.39) ; C23.2 78.53,45.89 v1(79.04,45.38) ; 15.38,43.83 15.39,43.82 v1(15.39,42.46) ; R12.1 78.56,52.13 v1(78.53,52.11) ; 17.38,9.06 17.38,12.16 ; v1(41.45,90.72) 41.48,90.74 C5.2 ; R20.1 70.03,42.94 v1(70.03,42.2) ; 17.32,9.06 16.43,9.06 ; U23.2 18.26,9.11
  Top w0.61: v1(65.83,18.37) v1(65.83,19.47) ; 29.4,26.81 29.4,28.25 v1(29.41,28.26) ; v1(23.42,81.95) 23.41,81.96 U10.10 ; v1(64.56,18.37) v1(64.56,19.47) ; v1(47.93,78.02) 46.54,78.02 U12.8 ; v1(27.35,78.52) 25.59,78.52 25.57,78.54 ; U10.15 11.46,81.57 v1(12.75,81.57) ; v1(65.83,12.95) v1(65.83,11.85) ; v1(59.31,40.82) 59.61,41.12 U8.9 v1(59.61,43.47) ; 43.86,83.57 v1(43.86,81.95) ; v1(64.56,12.95) v1(64.56,11.85)
  Top w1.27: C20.2 C19.2
  Bottom w0.235: U13.5 U13.6
  Bottom w0.272: U13.25 12.01,32.12 11.45,32.12 11.41,32.08 U13.24 ; U13.25 12.16,32.68 ; U13.25 12.18,32.25 ; U13.8 16.4,28.01 16.4,27.17 16.3,27.27 ; 16.66,32.38 16.55,32.27 16.4,32.27 ; 14.66,26.42 14.88,26.2 15.16,26.49 ; 17.29,29.02 v1(17.52,29.25) ; U13.30 14.62,32.31 ; 14.16,26.55 13.81,26.2 13.66,26.35 ; 15.16,28.54 v1(15.01,28.69) ; U13.29 14.12,32.22 ; 13.66,32.96 13.48,33.14 ; U13.14 13.16,26.85 ; 16.4,32.27 U13.32 15.67,32.26 ; 16.4,32.27 16.4,31.53 U13.1 ; 11.41,27.33 11.45,27.3 ; U13.16 12.1,27.33 ; 15.16,31.02 U13.2 17.51,31.02 v1(17.57,31.08) ; 14.16,33.22 14.07,33.31 ; 15.16,33.14 v1(15.34,33.31) 15.66,32.99 ; 17.25,28.02 v1(17.52,28.29) ; 10.47,30.02 v1(10.26,29.81) ; U13.22 10.86,30.52 ; 10.53,28.52 v1(10.26,28.79) 10.48,29.02 ; 12.67,28.52 v1(12.85,28.69) ; U13.23 11.28,31.02 ; 12.68,31.02 v1(12.85,30.85) ; 11.38,31.49 10.69,31.49 ; 21,56.43 18.97,56.43
  Bottom w0.279: U14.13 31.39,31.17 v1(31.39,32.4)
  Bottom w0.406: 25.25,13.58 25.25,14.81 v1(25.29,14.85)
  Bottom w0.508: 76.3,9.11 74.47,9.11
  vias: v1(2,30.12) v1(3,17.87) v1(3,16.37) v1(3,14.62) v1(3.25,13.12) v1(3.25,11.12) v1(4.5,17.87) v1(4.5,16.37) v1(4.75,14.62) v1(4.75,14.62) v1(5,30.12) v1(5,12.12) v1(5,10.12) v1(6.5,12.37) v1(7,11.12) v1(7,9.62) v1(7.5,15.12) v1(7.75,30.12) v1(7.75,17.87) v1(7.75,16.62) v1(8.25,12.12) v1(8.75,10.87) v1(9,15.62) v1(9.25,18.37) v1(9.65,23.41) v1(9.72,25.11) v1(9.75,17.12) v1(9.75,9.87) v1(9.93,34.27) v1(10,11.62) v1(10.1,37.38) v1(10.21,36.36) v1(10.26,30.83) v1(10.45,25.84) v1(10.66,33.54) v1(10.72,23.41) v1(11,18.62) v1(11.11,26.69) v1(11.22,36.87) v1(11.22,35.85) v1(11.32,32.7) v1(11.48,24.17) v1(11.73,23.15) v1(11.99,35.09) v1(12.24,36.11) v1(12.24,24.93) v1(12.49,23.91) v1(12.75,34.33) v1(13,35.34) v1(13,25.69) v1(13.26,24.68) v1(13.38,33.69) v1(13.89,34.46) v1(13.81,26.33) v1(13.91,29.77) v1(14,22.37) v1(14,19.87) v1(14.02,25.31) v1(14.27,33.31) v1(14.25,18.12) v1(15,23.37) v1(15,21.37) v1(15,19.12) v1(15.01,30.85) v1(15.25,17.37) v1(15.5,15.87) v1(16,24.62) v1(16,22.12) v1(16.4,33.31) v1(16.43,27.24) v1(16.41,26.2) v1(17,20.87) v1(17,16.87) v1(16.94,12.48) v1(16.94,11.44) v1(17.25,22.87) v1(17.57,33.31) v1(17.57,32.25) v1(17.75,25.12) v1(17.75,15.37) v1(19.5,15.87) v1(20.49,32.5) v1(20.49,31.03) v1(20.49,29.56) v1(20.75,15.12) v1(22.5,29.37) v1(23.25,26.37) v1(24,31.37) v1(24,28.12) v1(24.25,18.12) v1(24.5,23.87) v1(24.5,22.37) v1(24.75,29.62) v1(24.75,20.62) v1(25.75,19.12) v1(26,27.87) v1(26.25,21.37) v1(26.5,29.37) v1(26.75,26.62) v1(27.25,22.87) v1(27.5,20.12) v1(28,30.37) v1(56.56,74.84) v1(65.33,72.68) v2(11.23,17.08) v2(11.23,15.81) v2(11.22,11.45) v2(11.22,9.94) v2(11.22,8.8) v2(11.22,7.53) v2(12.5,17.08) v2(12.5,15.81) v2(12.49,11.45) v2(12.49,9.94) v2(12.49,8.8) v2(12.49,7.53) v2(13.5,9.94) v2(13.5,8.62) v2(13.77,17.08) v2(13.77,15.81) v2(13.77,14.59) v2(13.76,7.53) v2(14.65,13.63) v2(15.54,14.59) v2(15.54,12.74) v2(16.43,13.63) v2(17.32,7.53) v2(18.34,12.48) v2(18.34,11.45) v2(18.34,7.53) v2(20.63,20.68) v2(21.38,22.26) v2(21.38,19.34) v2(22.02,20.68) v2(70.53,20.74) v2(71.72,15.66) v2(72.12,20.68) v2(73.51,20.68) v2(75.49,15.66) v2(77.14,16.68) v2(77.14,14.52) v2(77.52,12.74) v2(77.72,15.66) v2(78.28,16.68) v2(78.28,14.52) v2(78.79,11.47) v2(78.79,9.94) v2(79.42,15.66) v2(80.06,16.68) v2(80.06,14.64) v2(80.06,12.87) v2(80.06,11.47) v2(80.69,9.18) v2(81.46,14.64) v2(81.46,12.9)
GNDREF: length 13.6
  Top w0.272: 46.11,87.4 46.11,87.36 v1(46.1,87.35)
  Top w0.508: v1(55.81,93.68) 55.8,93.67 55.8,92.75 ; v1(50.21,75.73) 50.19,75.76 C38.1 ; C37.1 50.34,78.33 v1(50.34,79.03) ; C39.1 v1(52.78,75.1)
  Top w0.61: C31.2 v1(70.41,73.34) ; 54.12,81.7 v2(53.24,81.7) ; C24.2 v1(70.41,74.82) ; v1(52.52,87.34) 52.51,87.36 J13.A1 ; 46.11,88.43 46.11,87.4
  Bottom w0.272: U17.19 52.01,80.83 51.99,80.81 51.99,80.49
  Bottom w0.279: C33.1 50.57,85.26 R39.1 ; 49.6,85.89 49.81,85.89 ; C35.1 50.92,80.56
  Bottom w0.3: 51.48,80.84 52.87,80.84 ; 51.48,81.33 52.87,81.33
VBATT: length 151.7
  Top w0.203: v1(70.53,49.19) 71.34,49.19 71.47,49.06 U6.P$9
  Top w0.25: U6.P$9 70.99,48.83
  Top w0.272: C28.1 67.88,48.87 v1(67.23,49.52) 67.23,49.57 67.59,49.92 67.9,49.92
  Top w0.293: U4.2 65.83,59.47 66.46,60.1 66.46,61.01 66.17,61.3 66.16,61.3 65.71,61.76 R26.1 65.71,63.54
  Top w0.975: R56.2 31.26,83.73
  Top w1.27: U16.1 58.64,80.45 ; C20.1 C19.1
  Route15 w0.305: v1(49.73,60.75) 49.73,61.78 51.23,63.28 51.23,66.4 v1(51.67,66.84) 52.56,67.73 52.56,72.81 v1(51.67,73.7) 51.1,73.7 49.3,75.5 49.3,80.48 53.36,84.54 53.36,86.53 54.96,88.13 54.96,89.41 55.67,90.12 55.67,91.61
  Route15 w0.508: 60.07,80.89 U16.1 57.37,80.89 ; 67.26,49.48 67.23,49.5 v1(67.23,49.52) ; 56.44,79.41 J14.2 57.71,78.14
  Route15 w0.61: J14.2 56.44,77
  Route15 w0.762: 72.35,80.45 75.99,80.45 U16.14
  Route15 w1.016: J14.2 56.44,78.21 ; 58.58,80.35 58.64,80.35
  Route15 w1.27: v1(30.36,83.73) v1(31.26,83.73) 31.26,84.85 38.53,92.11 41.74,92.11 42.48,91.38 45.33,91.38 ; 53.51,91.35 55.67,91.35 56.82,92.49 60.75,92.49 61.74,91.51 61.74,88.46 67.61,82.59
  Route15 w1.905: v2(73.58,17.31) v2(75.87,18.2) 75.87,21.06 81.2,26.39 81.2,53 80.31,53.89
  Bottom w0.272: v1(67.23,49.52) 67.89,48.87 R1.1 ; 70.47,49.06 69.81,49.06 R19.1 ; R29.1 R47.1
  Bottom w0.305: v1(49.73,60.75) 49.69,60.78 49.3,60.78 ; R30.1 v1(51.67,66.84) ; R49.1 v1(51.67,73.7)
  Bottom w0.61: 31.26,83.73 v1(31.26,83.73)
  Bottom w0.975: v1(30.36,83.73) 31.26,83.73
  Bottom w1.27: D4.C 58.66,80.87 U16.1
  vias: v2(74.98,17.69)
VBATT_SENSE: length 0.9
  Top w0.293: U4.1 66.33,59.2 66.47,59.35
VBUS_IN: length 27.8
  Top w0.279: v1(51.17,89.45) 51.56,89.05 51.56,88.46 J13.A4 ; C29.1 55.8,89.32 v1(56.18,88.94) ; J13.A9 47.06,88.47 47.06,89.09 v1(47.61,89.64)
  Top w0.508: v1(54.91,90.3) 54.92,90.3 55.8,91.18
  Top w0.61: v1(46.73,86.65) 46.91,86.83 J13.A9 ; v1(47.61,89.64) 47.9,89.93
  Route15 w0.279: v1(56.18,88.94) 56.18,86.19 v1(56.94,85.43)
  Route15 w0.508: v1(54.91,90.3) 53.34,90.3 53.07,90.03 51.75,90.03 v1(51.17,89.45)
  Bottom w0.279: U17.23 51.29,82.83 51.1,83.02 ; 47.97,91.06 47.97,90 v1(47.61,89.64) ; 51.17,89.36 v1(51.17,89.45) ; 58.47,85.43 v1(56.94,85.43)
  Bottom w0.61: 51.18,83.02 49.6,83.02 48.99,83.63 C33.2 48.46,83.96 46.73,85.68 v1(46.73,86.65)
VBUS_RESET: length 33.8
  Top w0.272: v1(49.71,48.17) 49.55,48.33 49.55,49.52
  Route15 w0.272: v1(51.74,72.17) 49.83,70.27 49.83,63.22 49.07,62.46 49.07,59.86 50.15,58.78 53.71,58.78 54.66,57.82 54.66,54.2 51.29,50.84 51.29,50.17 49.71,48.58 v1(49.71,48.17)
  Bottom w0.272: R52.2 v1(51.74,72.17)
VCC_RF1: length 8.5
  Top w1.27: 25.89,3.09 24.54,3.09 ; U23.5 23.38,8.04
  Top w1.651: 24.54,3.09 23.38,3.09 23.38,8.04
VCC_RF2: length 9.9
  Bottom w1.27: U15.13 69.37,8.95 ; JP7.2 65.7,3.09
  Bottom w1.651: 69.37,8.42 69.37,7.57 67.37,5.57 67.37,3.1 67.36,3.09 65.7,3.09
/Avionics/BATTERY: length 26.4
  Top w0.272: v1(51.48,39.41) 51.05,38.98 51.05,38.18
  Top w0.279: v1(66.97,47.16) 66.21,47.16 66.07,47.3 65.82,47.3
  Route15 w0.272: v1(51.48,39.41) 59.26,39.41 60.06,40.21 64.58,40.21 66.98,42.61 66.98,47.15 v1(66.97,47.16)
  Bottom w0.279: 68.12,47.28 67.95,47.11 67.01,47.11 v1(66.97,47.16) 66.21,47.16 66.07,47.3 65.82,47.3
/Avionics/XTAL1: length 5.3
  Top w0.3: C1.1 43.05,35.09 Y1.1 43.04,35.54 44.05,36.55 U2.1
/Avionics/XTAL2: length 5.3
  Top w0.3: C2.1 45.54,35.09 Y1.2 45.54,35.57 44.55,36.56 U2.2
/Burn Wires/VBURN2: length 0.1
  Top w0.272: JP12.3 85.96,50.54
/Burn Wires/VBURN_A_IN: length 131.5
  Top w0.272: 8.56,49.82 8.53,49.8 R37.2
  Top w0.508: v1(82.34,57.95) 81.61,57.95 81.46,57.79 ; 81.35,56.81 81.35,57.69
  Top w1.27: 6.78,51.6 6.68,51.7 6.68,81.71 11.27,86.3 44.78,86.3 47.76,83.31 66.38,83.31 U16.11
  Route15 w1.27: v1(82.34,57.95) 80.19,60.11 80.19,74.46 75.52,79.12 70.57,79.12 U16.11
  vias: v1(81.84,58.71)
/Power/REGN: length 15.1
  Top w0.272: R31.2 60,91.24 v1(59.99,91.22)
  Top w0.279: 55.7,81.32 55.7,81.34 55.93,81.57
  Top w0.3: v1(56.95,81.57) 55.93,81.57
  Route15 w0.272: v1(56.95,81.57) 57.71,82.32 57.71,86.02 57.07,86.65 57.07,89.19 59.1,91.22 v1(59.99,91.22)
  Bottom w0.3: v1(56.95,81.57) 56.71,81.33 U17.11
/Power/V_RF: length 55
  Top w0.293: 69.26,12.64 69.26,14.11
  Route15 w1.905: 25.32,4.79 37.44,4.79 39.8,7.15 58.09,7.15 ; v1(64.18,14.52) v1(63.29,14.52) 61.13,14.52 58.09,11.47 58.09,7.15 ; 58.09,7.15 60.45,4.79 65.24,4.79
  vias: v1(25.37,4.79) v1(26.4,4.79) v1(63.83,4.79) v1(64.86,4.79)
/Power/VCHRG_IN: length 2.3
  Top w0.25: 76.35,48.25 76.27,48.33 U6.P$3
/RF and GPS/PYLD12_VDD: length 46.6
  Top w0.975: R54.2 28.48,82.86
  Top w1.27: 28.48,82.86 v1(28.48,81.57) v1(27.99,80.81)
  Top w1.981: U10.11 20.87,80.49 18.92,78.54 U10.16 ; U12.16 39.24,78.54 41.19,80.49 U12.11
  Route15 w1.27: v1(28.48,81.57) v1(27.99,80.81) ; v1(33.17,78.03) v1(33.17,79.04) 29.37,79.04 27.61,80.81 22.31,80.81 v1(21.38,81.74) v1(20.37,81.74)
  vias: v1(40.69,81.74) v1(41.7,81.74)
/RF and GPS/PYLD34_VDD: length 55.7
  Route15 w1.27: v1(36.62,81.74) v1(35.61,81.74) 30.36,81.74 28.75,83.35 28.75,84.87 28.62,85 19.57,85 v1(16.3,81.74) v1(15.29,81.74)
  Bottom w0.61: 28.48,84.37 v1(27.97,84.87) v1(28.99,84.87) 28.48,84.37 ; 28.48,84.37 R57.2
  Bottom w1.981: U11.16 38.07,78.54 36.12,80.49 U11.11 ; U9.16 17.75,78.54 15.79,80.49 U9.11
/RF and GPS/RF2_ANT: length 10.6
  Bottom w0.293: 77.39,9.06 77.39,11.34 79.74,13.69 J12.1
/RF and GPS/RF_IN: length 2.7
  Bottom w0.293: U13.4 19.1,30.02 U14.11
AIN5: length 5.2
  Top w0.25: 50.55,38.18 50.58,38.15 50.58,37.19 52.37,35.4 J10.2
BURN_RELAY_A: length 47.4
  Top w0.279: 53.47,45.6 54.54,45.6 v1(54.75,45.81)
  Top w0.293: Q6.1 64.37,71.45 R25.1 v1(63.55,71.41)
  Route15 w0.279: v1(54.75,45.81) 54.23,45.29 54.23,44.16 54.53,43.86 56.89,43.86 63.36,50.33 67.74,50.33 70.66,53.25 70.66,61.63 63.55,68.75 v1(63.55,71.41)
DAC0: length 11.2
  Top w0.272: 45.05,38.18 45.05,39.83 v1(45.39,40.17)
  Route15 w0.272: v1(45.39,40.17) 46.07,40.17 46.25,39.99 47.06,39.99 47.44,39.61 47.44,38.65 49.07,37.02 49.07,34.53 J10.1
ENAB_BURN1: length 49.2
  Top w0.272: 3.87,47.39 3.95,47.3 v1(5.08,47.3) 6.22,47.3 6.3,47.39 ; v1(43.45,42.1) 43.45,42.1 42.13,42.1
  Route15 w0.272: 26.97,36.23 21.89,36.23 16.49,41.63 13.57,41.63 7.9,47.3 v1(5.08,47.3)
  Route15 w0.279: 26.97,36.23 37.58,36.23 v1(43.45,42.1)
ENAB_BURN2: length 42.2
  Top w0.272: R28.1 77.14,56.53 v1(77.14,57.57) R33.2 ; 53.47,47.6 53.89,47.6 54.15,47.87 54.15,48.32 v1(54.18,48.3)
  Route15 w0.272: v1(77.14,57.57) 77.6,57.11 77.6,51.71 77.18,51.3 75.95,51.3 74.09,49.44 72.31,49.44 71.68,48.81 71.68,48.04 71.42,47.79 67.42,47.79 67.37,47.84 64.74,47.84 61.2,44.3 58.79,44.3 57.94,43.46 54.18,43.46 53.62,44.02 53.62,47.74 v1(54.18,48.3)
ENAB_GPS: length 42.5
  Top w0.272: v1(44.2,41.18) 44.12,41.1 42.13,41.1
  Route15 w0.272: v1(44.2,41.18) 44.75,40.63 44.75,34.07 28.5,17.82 25.65,17.82 v1(23.61,15.77)
  Bottom w0.272: v1(23.61,15.77) 23.61,11.47 23.55,11.42
ENAB_RF: length 33.8
  Top w0.272: v1(50.85,35.26) 50.85,36.31 50.05,37.11 U2.13
  Top w0.293: U21.1 71.6,18.07 67.4,18.07 67.1,18.37 v1(67.1,20.49)
  Route15 w0.272: v1(50.85,35.26) 51.1,35.01 51.1,32.8 55.29,28.61 58.98,28.61 v1(67.1,20.49)
FLASH_CS: length 5.6
  Top w0.272: 57.86,45.12 57.86,44.13 57.58,43.85 55.42,43.85 55.17,43.6 53.47,43.6
FLASH_IO2: length 3.4
  Top w0.272: 53.47,41.1 56.16,41.1 56.37,41.31 56.76,41.31
FLASH_IO3: length 12.4
  Top w0.272: 62.46,42.58 61.66,42.58 61.52,42.43 v1(61.52,42.17)
  Top w0.279: 53.47,41.6 52.46,41.6 52.19,41.34 v1(52.19,41.26)
  Route15 w0.279: v1(52.19,41.26) 58.92,41.26 59.04,41.38 60.73,41.38 v1(61.52,42.17)
FLASH_MISO: length 6.5
  Top w0.279: 53.47,40.6 57.25,40.6 57.64,41 57.64,42 57.06,42.58 56.76,42.58
FLASH_MOSI: length 9.8
  Top w0.272: v1(54.78,40.04) 54.72,40.1 53.47,40.1 ; 62.46,40.04 61.98,40.04 v1(61.26,40.76)
  Route15 w0.279: v1(61.26,40.76) 61.11,40.61 59.89,40.61 59.09,39.81 55.02,39.81 v1(54.78,40.04)
FLASH_SCK: length 12.2
  Top w0.272: 62.46,41.31 v1(63.68,41.31)
  Top w0.279: v1(54.72,42.9) 54.52,43.1 53.47,43.1
  Route15 w0.279: v1(54.72,42.9) 54.82,42.8 62.19,42.8 v1(63.68,41.31)
GPS_PWR_IN: length 4.3
  Bottom w0.61: U14.23 U14.22 ; 34.72,21.76 34.72,18.55
L1_PROG: length 4.6
  Top w0.25: R20.2 72.02,46.51 72.02,46.78 U6.P$13
  Top w0.272: R20.2 R6.1
MISO: length 141.2
  Top w0.235: U10.6 26.45,74.21 27.96,74.21 v1(28.5,74.74) 38.5,74.74 39.04,74.21 45.27,74.21 U12.6 ; v1(22.47,50.54) 22.47,50.5 21.8,49.82 20.93,49.82 20.48,50.27 Q11.3 20.03,50.55 18.73,51.85 Q11.6 17.99,51.43 16.06,51.43 R104.2 ; R107.2 62.93,38.2 v1(61.64,38.2) 61.63,38.19 Q17.3 ; 27.35,48.2 27.35,50.58 v1(27.35,50.58) ; v1(51.84,47.18) 51.92,47.1 53.47,47.1
  Route15 w0.235: v1(51.84,47.18) 36.34,47.18 32.94,50.58 v1(27.35,50.58) 27.31,50.54 v1(22.47,50.54) 22.47,51.67 J8.5 ; v1(51.84,47.18) 51.78,47.13 ; v1(51.84,47.18) 51.84,45.33 48.72,42.21 48.72,39.26 50.82,37.16 60.6,37.16 v1(61.64,38.2) ; J8.5 27.86,57.06 27.86,62.9 29.85,64.89 29.85,73.38 v1(28.5,74.74) 28.47,74.74 ; J8.5 27.61,56.55
  Bottom w0.235: U9.6 16.95,73.46 18.23,74.74 v1(28.5,74.74) 29.78,73.46 31.26,73.46
MISO_RF1: length 11
  Top w0.235: U23.10 v1(27.38,45.76) 27.38,46.39 R101.1 ; v1(19.99,45.89) 19.38,46.49 R99.2
  Route15 w0.235: v1(19.99,45.89) 20.11,45.76 v1(27.38,45.76)
